# Altium PCB PLC-无线通讯版-V1.PcbDoc (continued)
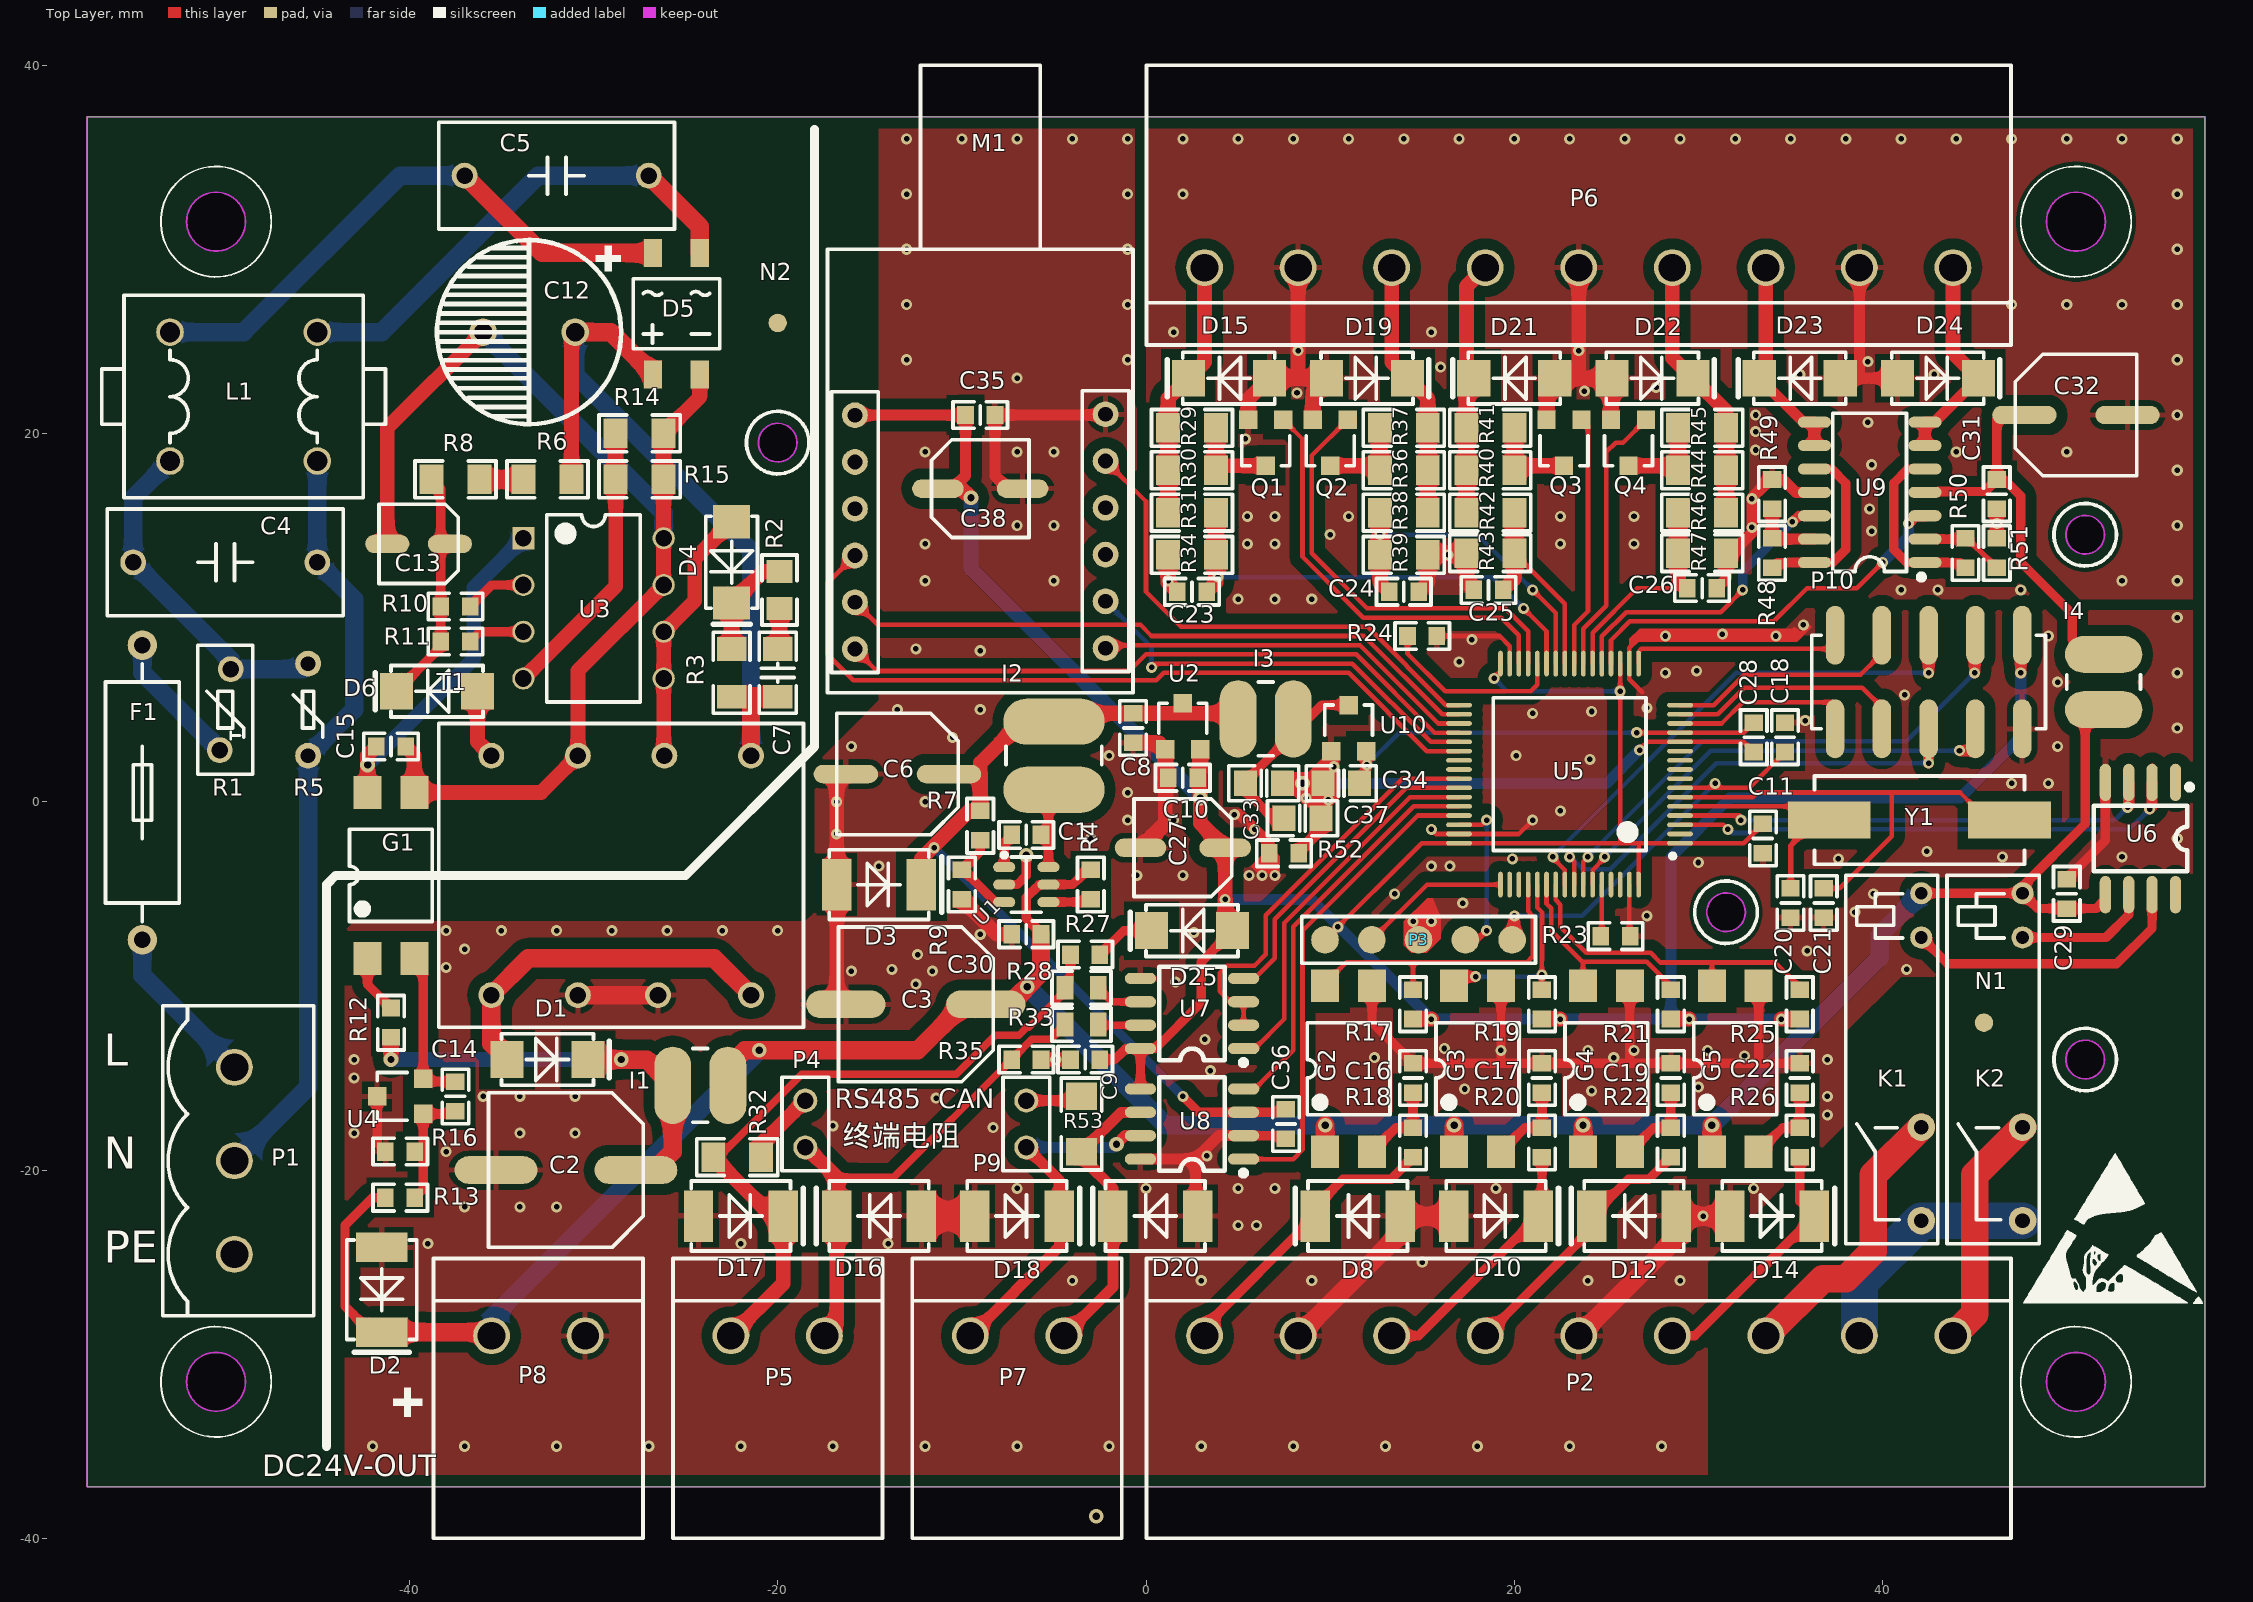
[diagram p0: Top Layer view]
## Footprints (in the part's own frame and the unit in brackets; to place one, negate y for a bottom-side part, rotate by r counter-clockwise, add the part's x,y. Pads: shape width x height; smd on the part's side, far side on the other; paste and mask are expansions set on the pad) (continued)
SMA [mm]
  rect 1.8x2 smd: 1(2.2,0) 2(-2.2,0)
  silkscreen extent -3.35,-1.4 2.5,1.4, body extent -2.75,-1.4 2.75,1.4, height 2.6
SMB-N [mm]
  rect 1.6x2.8 smd: 1(2.3,0) 2(-2.3,0)
  silkscreen extent -3.4,-1.9 2.7,1.9, body extent -2.75,-1.95 2.75,1.95, height 2.45
SOIC-4-MBS [mm] "整流桥堆 MB05S-MB10S"
  rect 1.5x1 smd: 1(-3.3,1.27) 2(-3.3,-1.27) 3(3.3,-1.27) 4(3.3,1.27)
  silkscreen extent -1.9,-2.35 1.9,2.35, body extent -3.5,-1.8 3.5,1.8, height 2.6
SOP-4-L [mm] "EL817S"
  rect 1.52x1.78 smd: 1(-1.27,-4.507) 2(1.27,-4.507) 3(1.27,4.507) 4(-1.27,4.507)
  silkscreen extent -2.25,-2.5 2.25,2.5, body extent -2.3,-5.08 2.3,5.08, height 3.75
SOP-8-M [mil]
  oval 24x80 smd: 1(-75,-120) 2(-25,-120) 3(25,-120) 4(75,-120) 5(75,120) 6(25,120) 7(-25,120) 8(-75,120)
  silkscreen extent -111,-116 100,70, body extent -96,-118 96,118, height 67
SOP-8-N [mm]
  oval 0.61x1.7 smd: 1(-1.905,-2.8) 2(-0.635,-2.8) 3(0.635,-2.8) 4(1.905,-2.8) 5(1.905,2.8) 6(0.635,2.8) 7(-0.635,2.8) 8(-1.905,2.8)
  silkscreen extent -2.82,-2.94 2.54,1.78, body extent -2.45,-3 2.45,3, height 1.7
SOP-14-M [mm]
  oval 0.6x1.8 smd: 1(-3.81,-3) 2(-2.54,-3) 3(-1.27,-3) 4(0,-3) 5(1.27,-3) 6(2.54,-3) 7(3.81,-3) 8(3.81,3) 9(2.54,3) 10(1.27,3) 11(0,3) 12(-1.27,3) 13(-2.54,3) 14(-3.81,3)
  silkscreen extent -4.75,-2.95 4.3,2, body extent -4.35,-2.99 4.34,3, height 1.55
SOT-23 [mm]
  rect 1x1 smd: 1(1.25,-0.95) 2(1.25,0.95) 3(-1.25,0)
  silkscreen extent -1.25,-1.3 0.38,1.3, body extent -1.4,-1.45 1.4,1.45, height 1.2
SOT-23-6-N [mm]
  oval 1.2x0.55 smd: 1(1.2,-0.95) 2(1.2,0) 3(1.2,0.95) 4(-1.2,0.95) 5(-1.2,0) 6(-1.2,-0.95)
  silkscreen extent -0.8,-1.7 1.3,1.5, body extent -1.21,-1.4 1.21,1.4, height 1.08
UU9.8 [mm] "共模电感  7*8"
  round 1.5 / inner round 1.8 / far side round 1.8 hole 1.1: 1(-3.5,-4) 2(3.5,-4) 3(3.5,4) 4(-3.5,4)
  silkscreen extent -5.5,-7.7 5.5,7.7, body extent -5.5,-8 5.5,8, height 15.81
"安规电容 脚距10" [mm]
  round 1.4 / inner round 1.4 / far side round 1.8 hole 0.9: 1(-5,0) 2(5,0)
  silkscreen extent -6.4,-2.9 6.4,2.9, body extent -6.4,-2.9 6.4,2.9, height 12
电解电容10*20蓝色 [mm]
  round 1.5 / inner round 1.5 / far side round 2 hole 1: 1(0,2.5) 2(0,-2.5)
  silkscreen extent -5,-5 5,5, body extent -5.03,-5.03 5.03,5.03, height 20.53
贴片固态电容4*5.3 [mm]
  oval 2.4x1 smd: 1(-1.7,0) 2(1.7,0)
  silkscreen extent -2.15,-2.15 2.15,2.15, body extent -2.3,-2.15 2.3,2.15, height 5.41
贴片固态电容5*5.3 [mm]
  oval 2.8x1 smd: 1(-2.3,0) 2(2.3,0)
  silkscreen extent -2.65,-2.65 2.65,2.65, body extent -2.95,-2.65 2.95,2.65, height 5.42
贴片固态电容6.3*5.3-M [mm]
  oval 3.5x1 smd: 1(-2.8,0) 2(2.8,0)
  silkscreen extent -3.3,-3.3 3.3,3.3, body extent -3.5,-3.3 3.5,3.3, height 5.41
贴片固态电容6.3*7.7 [mm]
  oval 3.5x1 smd: 1(-2.8,0) 2(2.8,0)
  silkscreen extent -3.3,-3.3 3.3,3.3, body extent -3.5,-3.3 3.5,3.3, height 7.71
贴片固态电容8*10-M#1 [mm]
  oval 4.5x1.5 smd: 1(-3.8,0) 2(3.8,0)
  silkscreen extent -4.2,-4.2 4.2,4.2, body extent -4.95,-4.15 4.95,4.15, height 10.21
贴片固态电容8*10-M#2 [mm]
  oval 4.3x1.5 smd: 1(-3.8,0) 2(3.8,0)
  silkscreen extent -4.2,-4.2 4.2,4.2, body extent -4.95,-4.15 4.95,4.15, height 10.21

## Part data
C1 C4 C5 C8 C9 C10 C11 C14 C15 C28 C29 C30 C31 C33 C34 C35 C36 C37: library part Cap, "Capacitor"
C2 C3 C12 C13: library part "Cap Pol1", "电解电容"
C6 C27 C32 C38: library part "Cap Pol1", "Polarized Capacitor (Radial)"
C7 C16 C17 C18 C19 C20 C21 C22 C23 C24 C25 C26: library part Cap-0603, "0805"
D1 D4 D6 D25: library part SS14, "SMA"
D2 D3 D8 D10 D12 D14 D15 D16 D17 D18 D19 D20 D21 D22 D23 D24: library part TVS-1, "SMB"
D5: "整流桥堆 MB05S-MB10S"
F1: library part "Fuse 1", "Fuse"
I1 I2 I3 I4: library part Inductance3
L1: library part 共模电感UU9.8
N1 N2: library part 无引脚
P1: library part "Header 3", "Header, 3-Pin"
P2 P6: library part "Header 9", "Header, 9-Pin"
P3: library part "Header 5", "Header, 5-Pin"
P4 P5 P7 P8 P9: library part "Header 2", "Header, 2-Pin"
P10: library part "Header 5X2", "Header, 5-Pin, Dual row"
Q1 Q2 Q3 Q4: "SOT-23"
R1: library part 热敏电阻
R2 R3 R4 R7 R9 R10 R11 R14 R15 R17 R18 R19 R20 R21 R22 R23 R24 R25 R26 R29 R30 R31 R34 R36 R37 R38 R39 R40 R41 R42 R43 R44 R45 R46 R47 R48 R49 R50 R51 R52: library part Res2-0603, "0603"
R5: library part 压敏电阻
R6 R8 R12 R13 R16: library part Res2, "1%"
R27 R28 R32 R33 R35 R53: library part Res2, "Resistor"
U2 U10: "LDO稳压 SOT-23"
U4: "稳压芯片 SOT-23"
U5: library part STM32F103RBT6
U7: library part MAX3082, "RS485总线转串口"
U9: library part MCP6004, "四运放-SOP-14"
Y1: library part 晶振

## Via types
v1: diameter 0.6, hole 0.3, Top Layer to Bottom Layer, tented both sides, 289 vias
v2: diameter 0.8, hole 0.4, Top Layer to Bottom Layer, tented both sides, 15 vias

## Nets (pads, with @x,y where several pads share a name; then routed paths per layer and width w, separated by ;. In a path a pad name is that pad's centre, name@x,y a point inside that pad or via, vN(x,y) a via of type N, cw(c..) or ccw(c..) an arc to the next point about the centre after c; other vN are vias at no path point)
3.3V: C9.2 C10.2 C11.2 C27.1 C35.2 C38.1 D25.1 M1.12 P3.1 P10.1 R17.2 R19.2 R21.2 R25.2 U2.2 U5.1 U5.19 U5.32 U5.48 U5.64 U7.8 U8.5 | length 175.7
  Top Layer w0.25: P3.1 14.97,-2.25 U5.48 U5.1 32.45,-2.25 C11.2 ; v1(18.9,6.7) 19.25,7.05 U5.32 ; 25.75,-2.2 v1(25.75,6) U5.19 ; U5.64 26.75,-2.3
  Top Layer w0.5: C9.2 -1.7,-14 -1.105,-13.405 U7.8 ; U8.5 U7.8 ; D25.1 3,-8.7 3,-10.9 0.495,-13.405 U7.8
  Top Layer w0.6: M1.12 -9.81,20.99 C35.2 -9.8,17.7 C38.1@-10.5,17 ; P10.1@47.4,8.3 47.5,8.2 v1(47.5,7)
  Top Layer w0.8: C38.1@-10.5,17 -10,17 v2(-9.5,16.5) ; U2.2 v2(2.95,0.2) 2.95,-1.15 C27.1 4.3,-6.6 D25.1 ; R17.2 v1(15.5,-11.8) ; R19.2 v1(22.5,-11.8) ; R21.2 v1(29.5,-11.8) ; v1(34.5,-11.8) R25.2
  Bottom Layer w0.25: v1(18.9,6.7) 19.6,6 v1(25.75,6)
  Bottom Layer w0.6: v1(4.3,-5.3) 9,-5.3 v1(15.5,-11.8) v1(22.5,-11.8) 28.5,-11.8 ; v1(34.5,-11.8) v1(29.5,-11.8) 28.5,-11.8 ; v1(47.5,7) 47.5,3.5 44.2,0.2 31.7,0.2 28.5,-3 28.5,-11.8
  Bottom Layer w0.8: v2(-9.5,16.5) -9.5,12.65 v2(2.95,0.2)
  other v1: 10.42,-6.8
5V: C6.1 C8.2 C36.2 D3.2 I2.2 I3.2 R7.1 U2.3 U8.3 | length 48.6
  Top Layer w0.5: D3.2 D3.2@-12.2,-3.5 ; v1(2,-16) 2.865,-16.865 U8.3 7.435,-16.865 C36.2
  Top Layer w0.8: D3.2@-12.2,-3.5 -12.2,-3.1 -9.6,-0.5 R7.1 -9,2.1 -6.75,4.35 I2.2 -4.55,4.8 C8.2 4.7,4.8 I3.2
  Bottom Layer w0.5: v1(-11.5,-2.5) v1(2,-16)
24V: C3.1 C29.2 C30.2 D2.2 G2.1 G3.1 G4.1 G5.1 I1.2 I4.1 K1.1 K2.1 P8.1 R4.1 R13.2 U1.5 U6.5 | length 152
  Top Layer w0.5: D2.2 -42.1,-28.8 -43.5,-27.4 -43.5,-23 -42,-21.5 R13.2 ; C3.1 -7.4,-11 C3.1@-7.2,-10.8 ; C30.2 -5.7,-7.143 -6.5,-6.343 -6.5,-5.2 -5.8,-4.5 U1.5 -4,-4.5 -3.2,-3.7 R4.1 ; K1.1 K2.1 ; I4.1 51,4 51,-1.2 47.6,-4.6 K2.1 ; U6.5 52.095,-5.305 51.6,-5.8 C29.2 48.43,-5.8 K2.1
  Top Layer w1: D2.2 -35.74,-28.8 P8.1 ; I1.2 -22.7,-14.4 -21.8,-13.5 v2(-21,-13.5) -12.4,-13.5 -9.9,-11 C3.1 ; C3.1@-7.2,-10.8 v2(-6.45,-10.05) -5.7,-9.3 C30.2 ; G2.1 v2(9.73,-17.57) ; G3.1 v2(16.73,-17.57) ; G4.1 v2(23.73,-17.57) ; G5.1 v2(30.73,-17.57)
  Bottom Layer w1: P8.1 -35.54,-28.04 v2(-21,-13.5) ; v2(-6.45,-10.05) 1.07,-17.57 v2(9.73,-17.57) v2(16.73,-17.57) v2(23.73,-17.57) v2(30.73,-17.57) 39.835,-8.465 39.835,-7.235 K1.1
220V-L: F1.1 P1.3 | length 9
  Bottom Layer w1: F1.1 -54.5,-9.42 P1.3
220V-N: C4.2 L1.1 P1.2 R5.1 | length 41.5
  Bottom Layer w1: P1.2 -45.5,-15.5 R5.1 -43,5 -43,11 C4.2 L1.1
220V-PE: P1.1
485-A: D17.2 P5.1 R27.2 R28.1 R32.1 | length 37.8
  Top Layer w0.4: R32.1 -23.2,-19.3 -18.7,-14.8 -10.3,-14.8 -8.181,-12.681 -6.9,-12.681 -6.469,-12.25 -6.35,-12.25 -4.4,-10.3 R28.1 -4.1,-9.8 R27.2
  Top Layer w0.8: R32.1 -20.3,-22.5 D17.2 -19.7,-26.16 P5.1
485-B: D16.2 P4.2 P5.2 R33.1 R35.2 | length 27.1
  Top Layer w0.4: -16.8,-20.4 -13.7,-20.4 R35.2 -6.2,-12.9 -5.2,-12.9 R33.1
  Top Layer w0.8: P4.2@-18.5,-18.7 -16.8,-20.4 D16.2 -16.8,-28.34 P5.2
485-RE/DE: U5.41 U7.2 U7.3 | length 22.4
  Top Layer w0.25: U7.2 U7.3 4.565,-10.865 4,-10.3 4,-9.3 4.4,-8.9 5.893,-8.9 6.5,-8.293 6.5,-6.172 13.922,1.25 U5.41
485-RXD: U5.43 U7.1 | length 20.4
  Top Layer w0.25: U7.1 5.895,-13.405 7.5,-11.8 7.5,-6.586 14.336,0.25 U5.43
485-TXD: U5.42 U7.4 | length 17.2
  Top Layer w0.25: U7.4 5.905,-9.595 7,-8.5 7,-6.379 14.129,0.75 U5.42
A3.3V: C28.2 C34.2 U5.13 U10.2 | length 23.8
  Top Layer w0.25: v1(26.65,3.75) U5.13 32.45,3.75 C28.2
  Top Layer w0.5: C34.2 11.95,1.35 U10.2
  Bottom Layer w0.25: v1(12,2) 13.75,3.75 v1(26.65,3.75)
A24V: C31.2 C32.1 I4.2 U9.4 | length 22.2
  Top Layer w0.25: U9.4 U9.4@42.8,16.8
  Top Layer w0.5: U9.4 42.3,16.85 45.55,16.85 C31.2 ; C32.1 46.5,21 46.2,20.7 C31.2 ; I4.2 51.1,8 50.3,8.8 50.3,10.2 47.5,13 47.5,16.6 46.6,17.5 C31.2
AC-GND: C12.2 C13.2 C15.1 D5.4 G1.3 R14.1 R15.1 T1.3 U3.7 U3.8 | length 64.7
  Top Layer w0.8: C13.2 -41.2,20.3 C12.2 ; C15.1 -39.73,2.53 G1.3 -32.842,0.507 T1.3 -30.85,7.11 U3.7 ; U3.7@-26.2,11.78 R15.1 R14.1 -24.23,21.97 D5.4
  Bottom Layer w1: C12.2 -26.19,15.69 U3.8
AGND: C23.1 C24.1 C25.1 C26.1 C28.1 C31.1 C32.2 C33.1 C34.1 C37.1 D15.1 D19.1 D21.1 D22.1 D23.1 D24.1 P6.2 P6.5 P6.8 Q1.2 Q2.2 Q3.2 Q4.2 R34.1 R39.1 R43.1 R47.1 R49.2 R51.2 R52.2 U5.12 U9.11 U10.1 | length 91.1
  Top Layer w0.25: v1(26.8,2.8) 27.25,3.25 U5.12 32.45,3.25 C28.1
  Top Layer w0.5: C33.1@7.5,1 C34.1 ; C37.1 9.5,0.9 C34.1 ; U10.1 10.05,1.45 C34.1
  Top Layer w0.6: R52.2 8.3,-2.7 9.5,-1.5 C37.1 ; C26.1 31.5,12.1 R47.1 31.8,13.5 32.9,14.6 32.9,16.528 33.872,17.5 R49.2 34.6,17.5 35.3,16.8 U9.11 ; D23.1 D24.1 ; 38.74,23.26 P6.2 ; R51.2 C31.1
  Top Layer w0.8: R34.1 1.2,11.9 C23.1 ; Q1.2 5.55,21.85 D15.1 D19.1 9.05,22.25 Q2.2 ; 8.26,23.04 P6.8 ; C24.1 15.3,11.9 R39.1 15.4,13.5 R43.1 17.4,11.9 C25.1 ; Q3.2 21.75,22.55 D21.1 D22.1 25.25,22.95 Q4.2 ; 23.5,23.25 P6.5
  Bottom Layer w0.6: v2(8.5,1) 25,1 v1(26.8,2.8)
  other v1: 9.9,0.1 8.7,0.2 10.2,1.9 5,11 7,11 9,11 41,11.5 43,11.5 47.5,11.5 1.2,12 53,12 56,12 16.4,13.4 5.5,14 7,14 22.5,14 26.5,14 10,14.5 39.4,14.7 32.9,14.9 56,15 46.2,15.1 5.5,15.5 7,15.5 11,15.5 22.5,15.5 26.5,15.5 39.3,15.9 32.9,16.453 56,18 39.4,18.3 44,19 50,19 33.1,19.1 5.4,19.7 33.1,20.1 39.2,20.6 33.1,21 56,21 8.2,22.2 23.8,22.3 27.7,22.5 35.5,23.2 42.8,23.2 16,23.6 39.2,23.9 56,24 8.26,24.5 23.5,24.5 1.5,25.5 15.5,25.5 47,27 50,27 53,27 56,27 56,30 2,33 56,33 2,36 5,36 8,36 11,36 14,36 17,36 20,36 23,36 26,36 29,36 32,36 35,36 38,36 41,36 44,36 47,36 50,36 53,36 56,36
AI1: C23.2 R31.1 R34.2 U5.27 | length 25.3
  Top Layer w0.25: v1(20.5,10.5) 21.75,9.25 U5.27
  Top Layer w0.8: C23.2 3.8,11.9 R34.2 R31.1
  Bottom Layer w0.25: v1(3.9,12.2) 18.8,12.2 v1(20.5,10.5)
AI1-500Ω电阻接入: Q1.1 U5.30 | length 22.9
  Top Layer w0.25: Q1.1 8.5,19.7 8.5,13.293 11.793,10 19.3,10 20.25,9.05 U5.30
AI2: C24.2 R38.1 R39.2 U5.26 | length 18.6
  Top Layer w0.25: v1(21,11.5) 22.25,10.25 U5.26
  Top Layer w0.8: R38.1 R39.2 12.7,11.9 C24.2
  Bottom Layer w0.25: v1(12.7,14.5) 18,14.5 v1(21,11.5)
AI2-500Ω电阻接入: Q2.1 U5.29 | length 23.3
  Top Layer w0.25: Q2.1 9,18.8 9,13.5 12,10.5 19.507,10.5 20.75,9.257 U5.29
AI3: C25.2 R42.1 R43.2 U5.25 | length 11.6
  Top Layer w0.25: R43.2 22.75,10.75 U5.25
  Top Layer w0.8: C25.2 20,12.1 R43.2 R42.1
AI3-500Ω电阻接入: Q3.1 U5.24 | length 13.7
  Top Layer w0.25: U5.24 23.25,9.6 24,10.35 24,20.4 Q3.1
AI4: C26.2 R46.1 R47.2 U5.22 | length 11.4
  Top Layer w0.25: U5.22 24.25,9.186 26.664,11.6 C26.2
  Top Layer w0.8: 28.9,12.1 R47.2 R46.1
AI4-500Ω电阻接入: Q4.1 U5.23 | length 14.9
  Top Layer w0.25: U5.23 23.75,9.393 25,10.643 25,19 25.5,19.5 25.9,19.5 Q4.1
AO1: U5.21 U9.12 | length 16.3
  Top Layer w0.25: U5.21 24.75,8.978 26.072,10.3 31.2,10.3 v1(32.4,11.5)
  Top Layer w0.5: v1(35.1,15.2) 35.43,15.53 U9.12
  Bottom Layer w0.5: v1(32.4,11.5) 32.4,12.5 v1(35.1,15.2)
AO2: U5.20 U9.3 | length 21.5
  Top Layer w0.25: U5.20 25.25,8.771 26.279,9.8 34.093,9.8 35.893,11.6 38.6,11.6 v1(40,13)
  Top Layer w0.6: v1@41.4,15.11 41.82,15.53 U9.3
  Bottom Layer w0.6: v1(40,13) 41.4,14.4 v1(41.4,15.1)
CAN-H: D18.2 P7.1 P9.1 U8.7 | length 19.4
  Top Layer w0.6: P7.1 -4.7,-24.16 D18.2 -4.7,-20.57 P9.1 ; v2(-1.6,-18.6) -1.135,-18.135 U8.7
  Bottom Layer w0.6: P9.1 -1.77,-18.77 v2(-1.6,-18.6)
CAN-L: D20.2 P7.2 R53.2 U8.6 | length 15.2
  Top Layer w0.6: P7.2 -1.8,-26.34 D20.2 -1.8,-21 -3.3,-19.5 -3.3,-18.8 -1.365,-16.865 U8.6@-0.8,-16.865
CAN-RXD: U5.44 U8.4 | length 22
  Top Layer w0.25: U8.4 5.905,-15.595 8,-13.5 8,-6.793 14.543,-0.25 U5.44
CAN-TXD: U5.45 U8.1 | length 26.4
  Top Layer w0.25: U8.1 7.995,-19.405 8.5,-18.9 8.5,-7 14.75,-0.75 U5.45
COM1: K1.4 K2.4 P2.8 | length 13.1
  Bottom Layer w2: P2.8 38.74,-26.11 K1.4 K2.4
DI1: G2.4 R17.1 U5.52 | length 17.5
  Top Layer w0.25: G2.4 9.73,-9.87 10.873,-8.727 14.5,-8.727 ; R17.1 14.5,-8.727 ; U5.52 20.75,-5.95 21.005,-6.205 21.005,-8.388 20.665,-8.727 14.5,-8.727
DI2: G3.4 R19.1 U5.53 | length 11
  Top Layer w0.25: G3.4 G3.4@16.73,-9.77 ; U5.53 21.25,-5.743 21.505,-5.998 21.505,-8.6 21.5,-8.605 v1(21.5,-9.403) R19.1
  Top Layer w0.6: G3.4 17.223,-9.5 v1(17.9,-9.5)
  Bottom Layer w0.25: v1(17.9,-9.5) 21.403,-9.5 v1(21.5,-9.403)
DI3: G4.4 R21.1 U5.54 | length 11.9
  Top Layer w0.25: U5.54 21.75,-5.536 22.005,-5.791 22.005,-7.005 23.7,-8.7 ; G4.4 23.73,-8.73 23.7,-8.7 ; R21.1 28.5,-10 27.2,-8.7 23.7,-8.7
DI4: G5.4 R25.1 U5.55 | length 18.1
  Top Layer w0.25: U5.55 22.25,-5.329 22.505,-5.584 22.505,-6.798 23.907,-8.2 27.407,-8.2 27.935,-8.727 34.185,-8.727 35.5,-10.042 R25.1 ; G5.4 30.73,-8.797
DO1: U5.3 U6.2 | length 28.6
  Top Layer w0.25: U5.3 31.35,-1.25 v1(31.6,-1.5) ; U6.2 U6.2@54.635,1.965
  Top Layer w0.6: v1(54.5,-0.4) 54.635,-0.265 U6.2
  Bottom Layer w0.25: v1(31.6,-1.5) 31.8,-1.7 32.9,-1.7 33.1,-1.5 53.4,-1.5 v1(54.5,-0.4)
DO2: U5.4 U6.3 | length 26.9
  Top Layer w0.25: U5.4 32.25,-0.75 v1@32.3,-0.8 ; U6.3 U6.3@53.365,1.935
  Top Layer w0.6: v1(53.3,-0.3) 53.365,-0.235 U6.3
  Bottom Layer w0.25: v1(32.3,-1) 52.6,-1 v1(53.3,-0.3)
GND: C2.2 C3.2 C6.2 C8.1 C9.1 C10.1 C11.1 C16.1 C17.1 C18.1 C19.1 C20.1 C21.1 C22.1 C27.2 C29.1 C30.1 C35.1 C36.1 C38.2 D2.1 D3.1 D8.1 D10.1 D12.1 D14.1 D16.1 D17.1 D18.1 D20.1 G2.3 G3.3 G4.3 G5.3 M1.1 P2.2 P2.5 P3.3 P8.2 P10.2 R9.2 R16.1 R23.2 R24.2 R35.1 R52.1 T1.6 T1.7 U1.2 U2.1 U4.3 U5.18 U5.31 U5.47 U5.63 U6.4 U7.5 U8.2 U8.8 | length 159
  Top Layer w0.25: v1(15.5,-1.5) 15.75,-1.75 U5.47 20.25,-1.75 v1(21,-1) ; R24.2 19.2,9 19.75,8.45 U5.31 ; R23.2@26.25,-7.25 U5.63 ; 26.95,5.95 26.25,6.65 U5.18 26.25,8.357 26.693,8.8 35.3,8.8 36,9.5
  Top Layer w0.5: U4.3 -41.75,-18.55 R16.1 ; U1.2 -7,-4.5 -6.5,-4 v2@-6.5,-3 ; U8.2 7.435,-18.135 C36.1 ; G2.3 12.27,-11.97 C16.1 C17.1 C19.1 C22.1 ; 19.27,-14.07 G3.3 ; 26.27,-14.17 G4.3 ; 33.27,-14.07 G5.3 ; C29.1 52.095,-2.105 U6.4
  Top Layer w0.6: C38.2 -7.5,17 -8.2,17.7 C35.1 -2.235,21 M1.1 ; R35.1 C9.1 ; U8.8 2.695,-19.405 ; D20.1 2.695,-22.395 2.695,-19.405 ; v1(4.8,-0.7) 5.1,-0.7 6.7,-2.3 R52.1 ; U8.2 3.965,-18.135 2.695,-19.405
  Top Layer w0.8: C3.2 -16.8,-10.5 D3.1 -16.8,1 C6.2 ; R9.2 -8.1,-7.2 C30.1 ; C8.1 0.7,3.2 U2.1 1.05,-1.15 C27.2
  Top Layer w1: T1.6 T1.7 ; P2.2 13.8,-23.46 D8.1 D10.1 ; P2.5 28.8,-23.7 D12.1 D14.1
  Top Layer w1.5: D16.1 D18.1
  other v1: -42,-35 -37,-35 -32,-35 -27,-35 -22,-35 -17,-35 -12,-35 -7,-35 -2,-35 3,-35 8,-35 13,-35 18,-35 23,-35 28,-35 -4,-26 3,-26 9,-26 24,-26 29,-26 15,-25 -39,-24 -22,-24 -14,-24 5,-23 6,-23 30.25,-22.5 -37,-22 -34,-22 -32,-22 -7,-21 0,-21 5,-21 7,-21 19,-21 33,-21 3.303,-19.237 -38,-19 -43,-18 -34,-18 -31,-18 -8.3,-17.7 -17,-17.6 37,-17 -11.4,-16.1 -36,-16 -34,-16 -31,-16 37,-16 24.2,-15.7 17.3,-15.6 30,-15.5 -43,-15 3.5,-14.6 -43,-14 -4.9,-14 37,-14 12.4,-13.9 25.4,-13.9 32.5,-13.8 19.27,-13.5 24,-13.5 26.5,-13.5 30.5,-13.5 16.2,-13.4 3.2,-12.9 -12.5,-9.9 1.6,-9.8 -16,-9.2 -11.6,-9.2 -13.8,-9.1 41.3,-9.1 -38,-9 -12.4,-8.3 35.9,-8.1 -37,-8 -9,-7.2 2.6,-7.1 -38,-7 -35,-7 -32,-7 -29,-7 -26,-7 -23,-7 -20,-7 14.5,-6.5 15.5,-6.5 27.2,-6.2 38.5,-6 17.2,-5.5 13.5,-5 39.5,-5 -0.5,-4 2,-4 5.6,-4 6.3,-4 7,-4 -14.5,-3.5 15.5,-3.5 16.5,-3.5 30,-3.3 19.9,-3.1 37.6,-3.1 46.5,-3 53,-3 42.4,-2.7 -3,-2 56,-2 -16.8,-1.75 5.9,-1.5 -1,-1 1.5,-1 22.5,-0.5 -16.8,0 -12,0 -1,0.5 47,1 49,1 24.1,2.3 -2,2.5 20.1,2.5 -16,3 49.5,3 -10.5,3.5 56,4 35.8,4.4 21,4.8 24.2,4.9 -13.5,5 -9,5 27.2,5.1 41.2,5.8 49.5,6.5 28.2,7 56,7 29.9,7.1 17,7.6 -9,8.2 -12.5,8.3 17.7,8.8 28.2,9 34.2,9 49,9 31.3,9.1 35.7,9.6 56,10 -12,12 -5,12 -12,14 -7,15 -5,15 -12,19 -7,19 -5,19 -7,23 -13,24 -1,24 -13,27 -1,27 -13,30 -1,30 -13,33 -1,33 -13,36 -10,36 -7,36 -4,36 -1,36
  other v2: -6.5,-2.9
IRQ: M1.9 U5.38 | length 42.8
  Top Layer w0.25: M1.9 -17.3,11.875 -17.3,8 -15.9,6.6 0.555,6.6 0.955,7 11,7 15.25,2.75 U5.38
LED-AI1: P10.5 U5.56 | length 27.8
  Top Layer w0.25: v1(22.1,-3) 22.1,-3.055 22.75,-3.705 U5.56
  Top Layer w0.6: v1(42.5,7) P10.5@42.5,8.5
  Bottom Layer w0.25: v1(22.1,-3) 22.1,-2.945 32.045,7 v1(42.5,7)
LED-AI2: P10.6 U5.57 | length 25.1
  Top Layer w0.25: v1(23,-3) 23.25,-3.25 U5.57
  Top Layer w0.6: v1(42.5,2.1) P10.6@42.5,3.4
  Bottom Layer w0.25: v1(23,-3) 23.045,-3 23.72,-3.675 25.2,-3.675 30.975,2.1 v1(42.5,2.1)
LED-AI3: P10.7 U5.16 | length 11.8
  Top Layer w0.25: U5.16 30.836,5.25 32.486,6.9 38.8,6.9 P10.7@39.7,7.8
LED-AI4: P10.8 U5.15 | length 11.8
  Top Layer w0.25: U5.15 31.043,4.75 32.493,6.2 38.9,6.2 P10.8@39.8,5.3
LED-AO1: P10.9 U5.17 | length 11.2
  Top Layer w0.25: U5.17 26.75,8.15 26.9,8.3 37.1,8.3 P10.9@37.2,8.2
LED-AO2: P10.10 U5.14 | length 8.9
  Top Layer w0.25: U5.14 31.25,4.25 32.4,5.4 37.1,5.4 P10.10@37.3,5.2
MISO: M1.7 U5.36 | length 35.4
  Top Layer w0.25: M1.7 -14.615,7.1 -0.9,7.1 0,8 11.414,8 15.664,3.75 U5.36
MOSI: M1.6 U5.35 | length 21
  Top Layer w0.25: M1.6 -2.035,8.5 11.621,8.5 15.871,4.25 U5.35
NetC1_1: C1.1 I2.1 U1.6 | length 4.3
  Top Layer w0.5: U1.6 -5.3,0.35 I2.1
NetC1_2: C1.2 U1.1 | length 1.9
  Top Layer w0.5: U1.1 -7.7,-2.2 C1.2
NetC2_1: C2.1 D1.2 I1.1 R12.2 | length 24.9
  Top Layer w0.8: v2(-41,-14) R12.2
  Top Layer w1: D1.2 -27.1,-14 I1.1 -25.7,-19 -26.7,-20 C2.1
  Bottom Layer w0.8: v2(-41,-14) v2(-28.5,-14)
NetC4_1: C4.1 L1.4 R1.2 R5.2 | length 18.6
  Bottom Layer w1: L1.4 -55,16.5 C4.1 -49.7,7.7 R1.2 -45.8,7.2 R5.2
NetC5_1: C5.1 D5.2 L1.3 | length 31.5
  Top Layer w1: C5.1 -32.8,29.8 D5.2
  Bottom Layer w1: L1.3 -49,25.5 -40.5,34 C5.1
NetC5_2: C5.2 D5.1 L1.2 | length 26.9
  Top Layer w1: C5.2 -24.23,31.23 D5.1
  Bottom Layer w1: L1.2 -41.5,25.5 -33,34 C5.2
NetC7_1: C7.1 R2.1 | length 2.2
  Top Layer w0.8: C7.1 -19.9,8.4 R2.1
NetC7_2: C7.2 C12.1 D5.3 R3.2 R6.1 T1.1 | length 45.7
  Top Layer w0.8: R6.1 -31.2,25.3 C12.1
  Top Layer w1: C12.1 -29.07,25.5 D5.3 ; R3.2 C7.2 ; T1.1 -21.45,5.45
  Bottom Layer w1: C12.1 -31,23.2 -21.45,13.65 T1.1
NetC13_1: C13.1 D6.2 R8.2 R10.2 R11.2 | length 12.7
  Top Layer w0.5: D6.2 -38.3,8.4 R11.2 R10.2 -38.3,17 R8.2
NetC14_1: C14.1 G1.2 U4.2 | length 8.6
  Top Layer w0.5: G1.2 -39.25,-8.987 U4.2 -39.1,-15.2 C14.1
NetC14_2: C14.2 R13.1 R16.2 U4.1 | length 6.5
  Top Layer w0.5: R13.1 -39.25,-21.05 U4.1 -37.65,-16.95 C14.2
NetC15_2: C15.2 G1.4 U3.1 | length 18.5
  Top Layer w0.8: G1.4 v2(-42.27,2) -42.27,2.53 C15.2
  Bottom Layer w0.8: v2(-42.27,2) -36.5,7.77 -36.5,11.62 U3.1
NetC16_2: C16.2 G2.2 R18.2 | length 4.7
  Top Layer w0.5: G2.2 13.578,-17.7 R18.2 C16.2
NetC17_2: C17.2 G3.2 R20.2 | length 4.7
  Top Layer w0.5: G3.2 20.578,-17.7 R20.2 C17.2
NetC19_2: C19.2 G4.2 R22.2 | length 4.7
  Top Layer w0.5: G4.2 27.578,-17.7 R22.2 C19.2
NetC20_2: C20.2 U5.5 Y1.2 | length 12.7
  Top Layer w0.25: U5.5 36.35,-0.25 Y1.2
  Top Layer w0.3: C20.2 35,-2.4 Y1.2@36.4,-1
NetC21_2: C21.2 U5.6 Y1.1 | length 26.3
  Top Layer w0.25: U5.6 32.957,0.25 33.207,0.5 44.2,0.5 45.7,-1 Y1.1 Y1.1@47.4,-1 ; C21.2 37.68,-4.7 40.5,-1.88 40.5,0.4
NetC22_2: C22.2 G5.2 R26.2 | length 4.7
  Top Layer w0.5: G5.2 34.578,-17.7 R26.2 C22.2
NetC33_2: C33.2 C37.2 I3.1 U10.3 | length 10.5
  Top Layer w0.5: C33.2 5.4,0.6 6.9,-0.9 C37.2 ; C33.2@5.5,1 5.5,1.2 9.55,5.25 U10.3
NetD1_1: D1.1 T1.5 T1.8 | length 19.6
  Top Layer w1: D1.1 -35.55,-13.15 T1.5 -33.55,-8.5 -23.45,-8.5 T1.8
NetD4_1: D4.1 T1.2 U3.5 U3.6 | length 14.2
  Top Layer w0.8: T1.2 -26.19,2.54 U3.5 U3.6 -24.5,10.92 -24.5,13.2 D4.1
NetD4_2: D4.2 R2.2 R3.1 | length 5.8
  Top Layer w0.8: R3.1 D4.2 -20.8,12.5 R2.2
NetD6_1: D6.1 T1.4 | length 3.8
  Top Layer w0.8: D6.1 -36.3,3.25 T1.4
NetD25_2: D25.2 R27.1 | length 3.3
  Top Layer w0.5: R27.1 -1.2,-7 D25.2
NetF1_2: F1.2 R1.1 | length 7.4
  Bottom Layer w1: F1.2 -54.5,7 R1.1
NetG1_1: G1.1 R12.1 | length 3.2
  Top Layer w0.5: G1.1 -42.27,-9.93 R12.1
NetK1_2: K1.2 U6.7 | length 15.7
  Top Layer w0.5: K1.2 43.53,-8.8 52.7,-8.8 54.635,-6.865 U6.7
NetK2_2: K2.2 U6.6 | length 7.4
  Top Layer w0.5: K2.2 52.13,-7.37 53.365,-6.135 U6.6
NetP4_1: P4.1 R32.2 | length 4.1
  Top Layer w0.8: R32.2 -20.9,-18.6 P4.1@-18.5,-16.2
NetP9_2: P9.2 R53.1 | length 3.3
  Top Layer w0.6: P9.2 -3.53,-16.23 R53.1@-3.3,-16
NetQ1_3: Q1.3 R29.1 R30.1 | length 5.1
  Top Layer w0.8: R29.1 R30.1 4.05,18.25 Q1.3
NetQ2_3: Q2.3 R36.1 R37.1 | length 5.1
  Top Layer w0.8: Q2.3 12.45,18.25 R36.1 R37.1
NetQ3_3: Q3.3 R40.1 R41.1 | length 4.8
  Top Layer w0.8: R40.1 R41.1 ; R40.1@20.25,18.25 Q3.3
NetQ4_3: Q4.3 R44.1 R45.1 | length 4.8
  Top Layer w0.8: Q4.3 R44.1@28.65,18.25 ; R44.1 R45.1
NetR4_2: R4.2 U1.4 | length 2.4
  Top Layer w0.5: U1.4 -3.15,-5.45 R4.2
NetR6_2: R6.2 R8.1 | length 2.4
  Top Layer w1: R8.1 R6.2
NetR7_2: R7.2 R9.1 U1.3 | length 5
  Top Layer w0.5: R7.2 -9,-2.7 R9.1 -9.921,-3.7 -8.171,-5.45 U1.3
NetR10_1: R10.1 U3.2 | length 3.4
  Top Layer w0.5: R10.1 -35.53,11.77 U3.2
NetR11_1: R11.1 U3.3 | length 3.1
  Top Layer w0.5: R11.1 -36.17,9.23 U3.3
NetR14_2: R14.2 R15.2 U3.4 | length 15.4
  Top Layer w0.8: U3.4 -28.8,11.7 R15.2 R14.2
NetR23_1: R23.1 U5.60 | length 2.8
  Top Layer w0.25: R23.1 24.75,-7.25 U5.60
NetR24_1: R24.1 U5.28 | length 10.1
  Top Layer w0.25: R24.1 14.2,8.043 16.243,6 20.9,6 21.25,6.35 U5.28
NetR28_2: R28.2 U7.6 | length 2.6
  Top Layer w0.4: R28.2 -1.835,-10.865 U7.6
NetR33_2: R33.2 U7.7 | length 2.3
  Top Layer w0.4: R33.2@-2.565,-12.135 U7.7
NetR48_1: R48.1 R49.1 U9.13 | length 3.9
  Top Layer w0.6: R49.1 R48.1 34.04,14.26 U9.13
NetR48_2: R48.2 U9.10 U9.14 | length 10
  Top Layer w0.5: R48.2 34.29,12.99 U9.14 37.29,12.99 38,13.7 38,17.3 37.23,18.07 U9.10
NetR50_1: R50.1 R51.1 U9.2 | length 4.5
  Top Layer w0.3: R50.1@44.36,14.26 44.64,14.26 R51.1
  Top Layer w0.5: U9.2 R50.1@44.36,14.26
NetR50_2: R50.2 U9.1 U9.5 | length 9.9
  Top Layer w0.5: U9.5 41.37,18.07 40.6,17.3 40.6,13.7 41.31,12.99 U9.1 44.21,12.99 R50.2
NRST: C18.2 P3.5 U5.7 | length 21.7
  Top Layer w0.25: U5.7 32.75,0.75 C18.2
  Top Layer w0.6: P3.5 20,-7.38 v1(20,-6.2)
  Bottom Layer w0.25: v1(20,-6.2) 23.7,-6.2 v1(30.9,1)
NSEL: M1.5 U5.37 | length 23
  Top Layer w0.25: v1@0.4,7.4 0.5,7.5 11.207,7.5 15.457,3.25 U5.37
  Bottom Layer w0.25: M1.5 0.3,8.385 v1(0.3,7.3)
SCK: M1.8 U5.34 | length 35.3
  Top Layer w0.25: M1.8 -14.575,9.6 -0.3,9.6 0.3,9 11.828,9 16.078,4.75 U5.34
SCL: P10.3 U5.58 | length 28.5
  Top Layer w0.25: U5.58 23.75,-3.25 v1(24,-3)
  Top Layer w0.6: P10.3@44.9,8.7 45,8.6 v1(45,7)
  Bottom Layer w0.25: v1(24,-3) 24,-2.945 30.22,3.275 41.275,3.275 v1(45,7)
SDA: P10.4 U5.59 | length 24.4
  Top Layer w0.25: U5.59 24.25,-3.705 24.9,-3.055 v1(24.9,-3)
  Top Layer w0.6: v1(44.175,2.775) 44.675,2.775 P10.4@45,3.1
  Bottom Layer w0.25: v1(24.9,-3) 30.675,2.775 v1(44.175,2.775)
SDN: M1.2 U5.33 | length 27.6
  Top Layer w0.25: M1.2 0,16.305 0,11.4 1.9,9.5 12.036,9.5 16.286,5.25 U5.33
SWCLK: P3.2 U5.49 | length 8.2
  Top Layer w0.25: P3.2 15.26,-4.5 U5.49
SWDIO: P3.4 U5.46 | length 9
  Top Layer w0.25: U5.46 18.25,-1.25 v1(18.5,-1) ; P3.4 18,-7.5 v1(18.5,-7)
  Bottom Layer w0.25: v1(18.5,-7) v1(18.5,-1)
无源数字输入1: D8.2 P2.1 R18.1 | length 15.9
  Top Layer w0.5: P2.1 3.18,-28.52 D8.2 9.2,-22 10.7,-20.5 13.3,-20.5 R18.1
无源数字输入2: D10.2 P2.3 R20.1 | length 13.9
  Top Layer w0.5: P2.3 14.8,-29 D10.2 21.5,-22.3 R20.1
无源数字输入3: D12.2 P2.4 R22.1 | length 14.5
  Top Layer w0.5: P2.4 24.2,-23.22 D12.2 26.2,-20.5 27.3,-20.5 R22.1
无源数字输入4: D14.2 P2.6 R26.1 | length 13.9
  Top Layer w0.5: P2.6 29.8,-29 D14.2 35.5,-21.7 R26.1
无源数字输出1: K1.3 P2.7 | length 15.6
  Top Layer w1.5: P2.7 36.76,-25.9 38,-25.9 39.5,-24.4 39.5,-20.27 K1.3
无源数字输出2: K2.3 P2.9 | length 12.9
  Top Layer w1.5: P2.9 45,-27.82 45,-20.27 K2.3
电压电流输入1: D15.2 P6.9 R29.2 R30.2 R31.2 | length 14.1
  Top Layer w0.8: R31.2 R30.2 R29.2 1.2,21.9 D15.2 3.18,23.88 P6.9
电压电流输入2: D19.2 P6.7 R36.2 R37.2 R38.2 | length 14.1
  Top Layer w0.8: P6.7 13.34,23.86 D19.2 15.3,21.9 R37.2 R36.2 R38.2
电压电流输入3: D21.2 P6.6 R40.2 R41.2 R42.2 | length 13.7
  Top Layer w0.8: R42.2 R40.2 R41.2 17.4,27.98 P6.6
电压电流输入4: D22.2 P6.4 R44.2 R45.2 R46.2 | length 14.5
  Top Layer w0.8: P6.4 28.58,24.12 D22.2 31.5,21.2 R45.2 R44.2 R46.2
电压输出1: D23.2 P6.3 U9.8 U9.9 | length 11.4
  Top Layer w0.6: D23.2 35.69,20.61 U9.8 U9.9
  Top Layer w0.8: D23.2 33.66,23.36 P6.3
电压输出2: D24.2 P6.1 U9.6 U9.7 | length 11.7
  Top Layer w0.6: U9.6 U9.7 42.81,20.61 D24.2
  Top Layer w0.8: P6.1 43.82,24.38 D24.2
pads on no net: M1.3 M1.4 M1.10 M1.11 N1.1 N2.1 U5.2 U5.8 U5.9 U5.10 U5.11 U5.39 U5.40 U5.50 U5.51 U5.61 U5.62 U6.1 U6.8
copper on no net:
  other v2: -2.7,-38.8

## Polygon pours and split planes (outlines as drawn)
AGND on Top Layer "Mechanical 15-No Net" (solid, remove dead copper, pour order 0): 0,37.2 0,12 1.5,10.5 6.5,5.5 6.5,1 6.5,-0.5 9,-3 13,1 13,2.5 13,9.5 14,10.5 14.5,11 26.5,11 57.5,11 57.5,37.2
GND on Top Layer "Mechanical 15-No Net" (solid, remove dead copper, pour order 4): -0.5,37.2 -0.5,11.5 1,10 6,5 6,3 6,-1 7.5,-2.5 8.5,-3.5 9.172,-3.5 13.5,0.828 13.5,3.5 13.5,9 14.5,10 15,10.5 23.5,10.5 57.5,10.5 57.5,-9.5 41,-9.5 38,-12.5 38,-17.5 30.5,-25 30.5,-37 30.5,-37.2 -43.5,-37.2 -43.5,-7 -43,-6.5 -35.5,-6.5 -18.5,-6.5 -18,-6 -18,-3.5 -18,2 -16,4 -14.5,5.5 -14.5,11.5 -14.5,37.2
AGND on Bottom Layer "Mechanical 15-No Net" (solid, remove dead copper, pour order 2): 0,37.2 0,12 1.5,10.5 6.5,5.5 6.5,1 6.5,-0.5 9,-3 13,1 13,2.5 13,9.5 14,10.5 14.5,11 26.5,11 57.5,11 57.5,37.2
GND on Bottom Layer "Mechanical 15-No Net" (solid, remove dead copper, pour order 6): -0.5,37.2 -0.5,11.5 1,10 6,5 6,3 6,-1 7.5,-2.5 8.5,-3.5 9.172,-3.5 13.5,0.828 13.5,3.5 13.5,9 14.5,10 15,10.5 23.5,10.5 57.5,10.5 57.5,-9.5 41,-9.5 38,-12.5 38,-17.5 30.5,-25 30.5,-37 30.5,-37.2 -43.5,-37.2 -43.5,-7 -43,-6.5 -35.5,-6.5 -18.5,-6.5 -18,-6 -18,-3.5 -18,2 -16,4 -14.5,5.5 -14.5,11.5 -14.5,37.2

## Keep-outs
Keep-Out Layer:
  circle w0.1: c51,14.5 r1.05
  circle w0.1: c51,-14 r1.05
  circle w0.1: c31.5,-6 r1.05
  circle w0.1: c-20,19.5 r1.05
  circle w0.1: c-50.5,31.5 r1.6
  circle w0.1: c-50.5,-31.5 r1.6
  circle w0.1: c50.5,-31.5 r1.6
  circle w0.1: c50.5,31.5 r1.6
  lines w0.1: -57.5,-37.2 -57.5,37.2 57.5,37.2 57.5,-37.2 -57.5,-37.2

## Other copper
Top Layer:
  region net AGND: 10.5,2.4 10.5,0.2 10,-0.3 8.7,-0.3 7.9,0.5 7.9,1.6 8.8,1.6 9.6,2.4
  region net GND: 7.1,-2.8 7.25,-2.95 7.25,-3.9 6.1,-3.9 5.7,-3.5 6.4,-2.8
  region net GND: 15.563,-5.231 15.269,-5.231 14,-6.5 14,-7.8 14.4,-8.2 15.249,-8.2 16,-7.449 16,-6.3
  region net GND: 35.2,9.5 35.1,9.4 26.8,9.4 26.25,8.85 26.25,8.357 26.693,8.8 35.3,8.8 35.65,9.15
  pour cut-out: 51,16.5 ccw(c51,14.5) 49,14.5 ccw(c51,14.5) 51,12.5 ccw(c51,14.5) 53,14.5 ccw(c51,14.5)
  pour cut-out: 51,-12 ccw(c51,-14) 49,-14 ccw(c51,-14) 51,-16 ccw(c51,-14) 53,-14 ccw(c51,-14)
  pour cut-out: 31.5,-4 ccw(c31.5,-6) 29.5,-6 ccw(c31.5,-6) 31.5,-8 ccw(c31.5,-6) 33.5,-6 ccw(c31.5,-6)
  pour cut-out: -20,21.5 ccw(c-20,19.5) -22,19.5 ccw(c-20,19.5) -20,17.5 ccw(c-20,19.5) -18,19.5 ccw(c-20,19.5)
  pour cut-out: -50.5,28.25 cw(c-50.5,31.5) -53.75,31.5 cw(c-50.5,31.5) -50.5,34.75 cw(c-50.5,31.5) -47.25,31.5 cw(c-50.5,31.5)
  pour cut-out: 50.5,28.25 cw(c50.5,31.5) 47.25,31.5 cw(c50.5,31.5) 50.5,34.75 cw(c50.5,31.5) 53.75,31.5 cw(c50.5,31.5)
  pour cut-out: 50.5,-34.75 cw(c50.5,-31.5) 47.25,-31.5 cw(c50.5,-31.5) 50.5,-28.25 cw(c50.5,-31.5) 53.75,-31.5 cw(c50.5,-31.5)
  pour cut-out: -50.5,-34.75 cw(c-50.5,-31.5) -53.75,-31.5 cw(c-50.5,-31.5) -50.5,-28.25 cw(c-50.5,-31.5) -47.25,-31.5 cw(c-50.5,-31.5)
Bottom Layer:
  pour cut-out: 48.3,14.5 ccw(c51,14.5) 51,11.8 ccw(c51,14.5) 53.7,14.5 ccw(c51,14.5) 51,17.2 ccw(c51,14.5)
  pour cut-out: 48.3,-14 ccw(c51,-14) 51,-16.7 ccw(c51,-14) 53.7,-14 ccw(c51,-14) 51,-11.3 ccw(c51,-14)
  pour cut-out: 28.8,-6 ccw(c31.5,-6) 31.5,-8.7 ccw(c31.5,-6) 34.2,-6 ccw(c31.5,-6) 31.5,-3.3 ccw(c31.5,-6)
  pour cut-out: -22.7,19.5 ccw(c-20,19.5) -20,16.8 ccw(c-20,19.5) -17.3,19.5 ccw(c-20,19.5) -20,22.2 ccw(c-20,19.5)
  pour cut-out: -50.5,28.25 cw(c-50.5,31.5) -53.75,31.5 cw(c-50.5,31.5) -50.5,34.75 cw(c-50.5,31.5) -47.25,31.5 cw(c-50.5,31.5)
  pour cut-out: 50.5,28.25 cw(c50.5,31.5) 47.25,31.5 cw(c50.5,31.5) 50.5,34.75 cw(c50.5,31.5) 53.75,31.5 cw(c50.5,31.5)
  pour cut-out: 50.5,-34.75 cw(c50.5,-31.5) 47.25,-31.5 cw(c50.5,-31.5) 50.5,-28.25 cw(c50.5,-31.5) 53.75,-31.5 cw(c50.5,-31.5)
  pour cut-out: -50.5,-34.75 cw(c-50.5,-31.5) -53.75,-31.5 cw(c-50.5,-31.5) -50.5,-28.25 cw(c-50.5,-31.5) -47.25,-31.5 cw(c-50.5,-31.5)

## Silkscreen, mask and mechanical layers (free items; w line width, h text height)
Top Overlay:
  drawing of 792 lines, arcs and shapes, not listed
  text "L" at -56.6,-14.9 h3
  text "RS485  CAN" at -16.9,-17 h1.8
  text "终端电阻" at -16.5,-19.1 h2
  text "N" at -56.6,-20.5 h3
  text "PE" at -56.6,-25.6 h3
  text "DC24V-OUT" at -48,-37 h2
Bottom Overlay:
  circle w0.1: c51,14.5 r2.7
  circle w0.1: c51,-14 r2.7
  circle w0.1: c31.5,-6 r2.7
  circle w0.1: c-20,19.5 r2.7
  circle w0.1: c50.5,31.5 r3.25
  circle w0.1: c-50.5,31.5 r3.25
  circle w0.1: c-50.5,-31.5 r3.25
  circle w0.1: c50.5,-31.5 r3.25
  text "AI1" at 4,36 h3 r90
  text "GND" at 9,36 h3 r90
  text "AI2" at 14.5,36 h3 r90
  text "AI3" at 19.5,36 h3 r90
  text "GND" at 24.5,36 h3 r90
  text "AI4" at 29.5,36 h3 r90
  text "AO1" at 34.5,36 h3 r90
  text "GND" at 40,36 h3 r90
  text "AO2" at 45,36 h3 r90
  text "RS485-A" at -23.7,-30.1 h2 r90
  text "RS485-B" at -14.7,-30.1 h2 r90
  text "CAN-H" at -8.7,-31 h2.5 r90
  text "CAN-L" at -3.62,-31 h2.5 r90
  text "24V" at -34.5,-31.3 h3 r90
  text "GND" at -29.42,-31.3 h3 r90
  text "GND" at 9.4,-31.4 h3 r90
  text "DI2" at 14.5,-31.4 h3 r90
  text "DI3" at 19.4,-31.4 h3 r90
  text "GND" at 24.5,-31.4 h3 r90
  text "DI4" at 29.5,-31.4 h3 r90
  text "DO1" at 35,-31.4 h3 r90
  text "COM" at 40,-31.4 h3 r90
  text "DO2" at 45,-31.4 h3 r90
  text "DI1" at 4.2,-31.5 h3 r90
Mechanical 9:
  lines w0.1: -39,-19.4 37.5,-19.4 ; -39,19.4 37.5,19.4 ; -33.5,-21.5 -33.5,-18 ; -33.5,18 -33.5,21.5 ; -30.2,-21.5 -30.2,-18 ; -30.2,18 -30.2,21.5 ; -26.9,-21.5 -26.9,-18 ; -26.9,18 -26.9,21.5 ; -23.6,-21.5 -23.6,-18 ; -23.6,18 -23.6,21.5 ; -20.3,-21.5 -20.3,-18 ; -20.3,18 -20.3,21.5 ; -17,-21.5 -17,-18 ; -17,18 -17,21.5 ; -13.7,-21.5 -13.7,-18 ; -13.7,18 -13.7,21.5 ; -10.4,-21.5 -10.4,-18 ; -10.4,18 -10.4,21.5 ; -5,-20.4 -5,-17.4 ; -5,17.4 -5,20.4 ; -1.7,-21.5 -1.7,-18 ; -1.7,18 -1.7,21.5 ; 1.6,-21.5 1.6,-18 ; 1.6,18 1.6,21.5 ; 4.9,-21.5 4.9,-18 ; 4.9,18 4.9,21.5 ; 8.2,-21.5 8.2,-18 ; 8.2,18 8.2,21.5 ; 11.5,-21.5 11.5,-18 ; 11.5,18 11.5,21.5 ; 14.8,-21.5 14.8,-18 ; 14.8,18 14.8,21.5 ; 18.1,-21.5 18.1,-18 ; 18.1,18 18.1,21.5
Mechanical 14:
  lines w0.1: -60,0 60,0 ; -53.8,10 -53.8,42.3 ; -39,-26.5 57.5,-26.5 ; -39,26.5 57.5,26.5 ; 0,-40 0,40
Mechanical 15:
  lines w0.1: -60,-0.5 -39,-0.5 -39,-40 ; -55.2,15.4 -52.4,15.4 ; -55.1,18.7 -52.3,18.7 ; -55.1,22 -52.3,22 ; -50.5,-31.5 -50.5,31.5 ; -41.2,40 -41.2,24 -39,24 -39,40 ; -14.2,-41.4 -14.2,-28.4 ; 32.7,-41.4 32.7,-28.4 ; 50.5,-31.5 50.5,31.5 ; -60,-40 -60,40 60,40 60,-40 -60,-40
  lines w0.2: -47.5,-112.5 40.5,-112.5 ; -47.5,-106.5 40.5,-106.5 ; -47.5,-100.5 40.5,-100.5 ; -47.5,-94.5 40.5,-94.5 ; -47.5,-88.5 40.5,-88.5 ; -47.5,-82.5 40.5,-82.5 ; -47.5,-76.5 40.5,-76.5 ; -25.5,-118.5 -25.5,-70.5 -25.5,-64.5 ; -47.5,-70.5 -47.5,-64.5 40.5,-64.5 40.5,-70.5 ; -47.5,-70.5 40.5,-70.5 ; -47.5,-70.5 -47.5,-118.5 40.5,-118.5 40.5,-70.5
  text "邵宁鹏20180202" at -43,-36 h0.1
  text "公司" at -46.5,-69.5 h5
  text "杭州久天科技有限公司" at -22.5,-69.5 h5
  text "工程" at -46.5,-75.5 h5
  text "设计" at -46.5,-81.5 h5
  text "邵宁鹏" at -22.5,-81.5 h5
  text "日期" at -46.5,-87.5 h5
  text "板厚" at -46.5,-93.5 h5
  text "1.6mm" at -22.5,-93.5 h5
  text "阻焊油" at -46.5,-99.5 h5
  text "绿色" at -22.5,-99.5 h5
  text "丝印" at -46.5,-105.5 h5
  text "白色" at -22.5,-105.5 h5
  text "板材" at -46.5,-111.5 h5
  text "FR-4" at -22.5,-111.5 h5
  text "其他" at -46.5,-117.5 h5
  text "有铅喷锡，过孔盖油" at -22.5,-117.5 h5

## Dimensions
-57.5,-38.5 to 57.5,-38.5 on Mechanical 15
57.5,-37.2 to 57.5,37.2 on Mechanical 15